# KiCad board frankenso.kicad_pcb (continued)
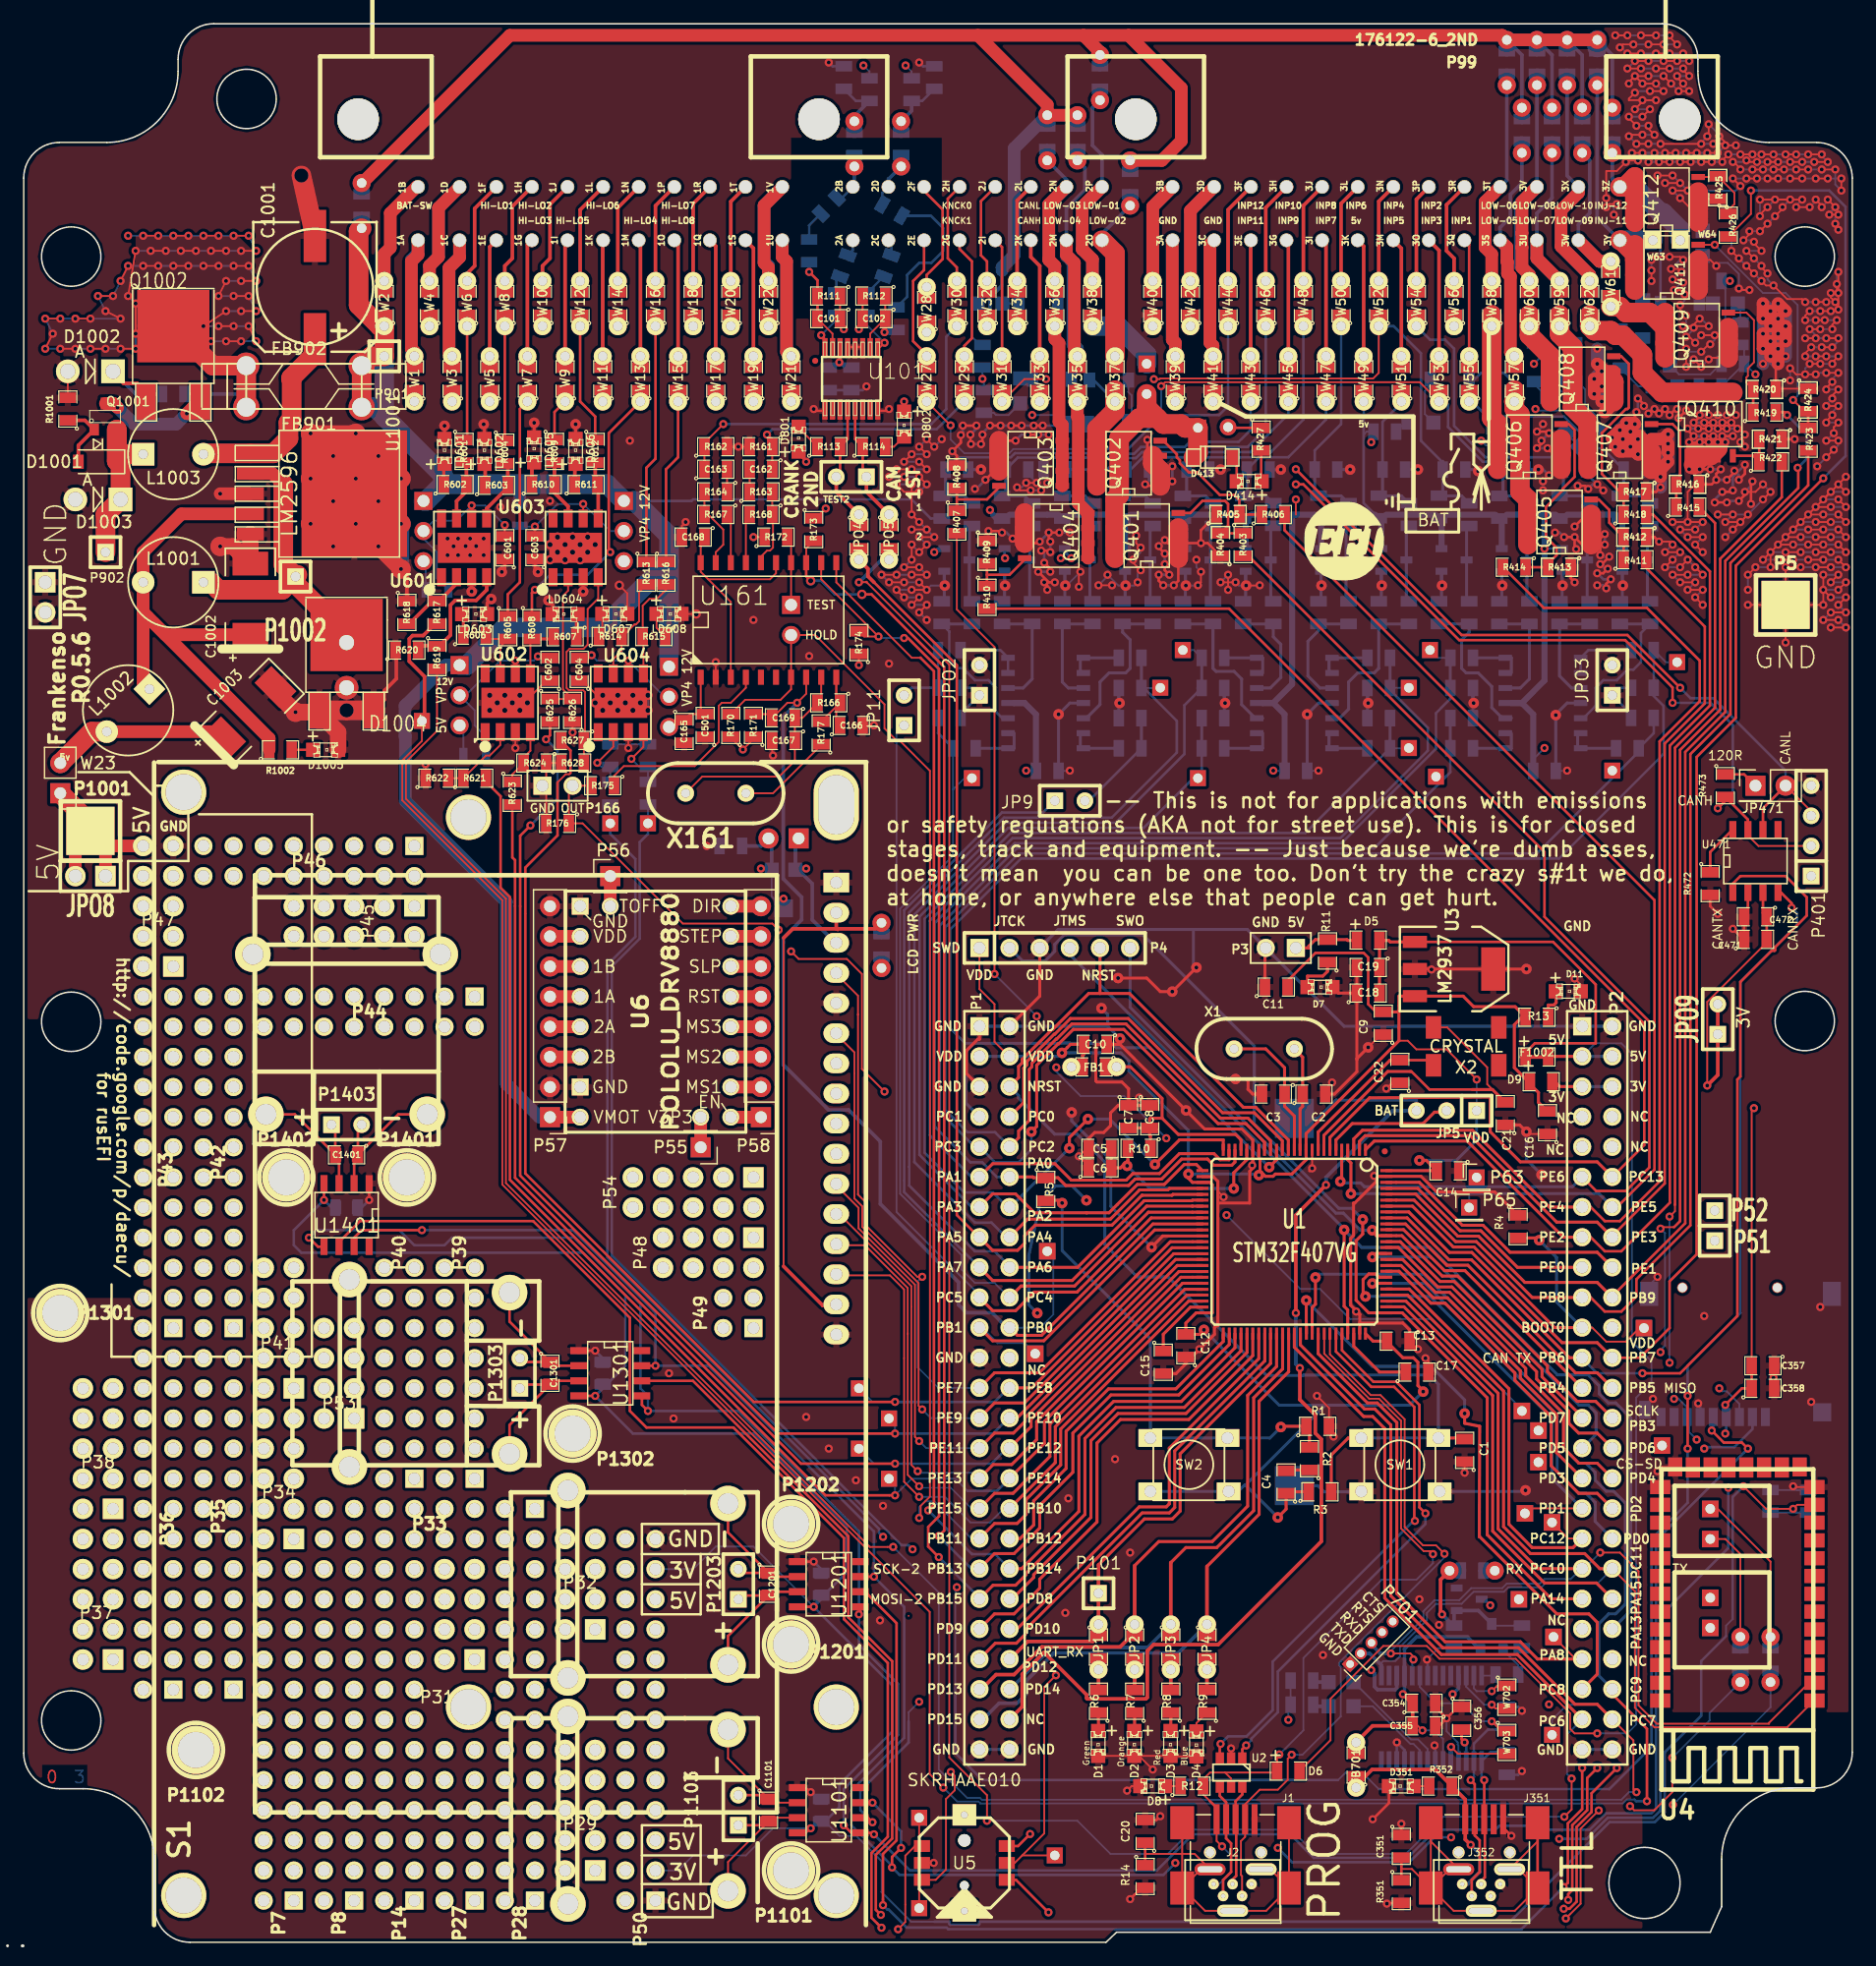
[diagram p0: board, top side]
## Nets (continued)
/hi-lo/DOHL7: P1.41 P74.1 R629.2 U1.56
/hi-lo/DOHL8: P1.40 P73.1 R631.2 U1.55
/hi-lo/VP: C601.2 P604.2 R633.1 U601.6
/hi-lo/VP2: C602.2 P605.2 R634.1 U602.6
/hi-lo/VP3: C603.2 P606.2 R635.1 U603.6
/hi-lo/VP4: C604.2 P607.2 U604.6
/HL1: R601.1 W6.1
/HL2: R604.1 W8.1
/HL3: R605.1 W7.1
/HL4: R608.1 W13.1
/HL5: R609.1 W9.1
/HL6: R612.1 W12.1
/HL7: R613.1 W16.1
/HL8: R616.1 W15.1
/inj_12ch/INJ-01: D413.2 Q401.2 R401.1 R402.2
/inj_12ch/INJ-01_5V: P2.11 P63.1 R403.2 U1.5
/inj_12ch/INJ-02_5V: P2.14 P65.1 R406.2 U1.4
/inj_12ch/INJ-03_5V: P2.27 P23.1 R407.2 U1.88
/inj_12ch/INJ-04_5V: P2.12 R410.2 U1.7
/inj_12ch/INJ-05_5V: P2.16 R411.2 U1.2
/inj_12ch/INJ-06_5V: P2.13 R414.2 U1.3
/inj_12ch/INJ-07_5V: P2.31 P20.1 R415.2 U1.84
/inj_12ch/INJ-08_5V: P2.15 R418.2 U1.1
/inj_12ch/INJ-09_5V: P2.20 R419.2 U1.96
/inj_12ch/INJ-10_5V: P2.29 P21.1 R422.2 U1.86
/inj_12ch/INJ-11_5V: P2.19 R423.2 U1.95
/inj_12ch/INJ-12_5V: P2.24 R426.2 U1.93
/KNOCK-INPUT-0: C163.1 R162.1 W30.1
/KNOCK-INPUT-1: C162.1 R161.1 W29.1
/LOW-1A-01_2: R402.1 W38.1
/LOW-1A-02: D416.2 Q402.2 W37.1
/LOW-1A-03: D418.2 Q403.2 W36.1
/LOW-1A-04: D420.2 Q404.2 W35.1
/LOW-1A-05: D422.2 Q405.2 W57.1
/LOW-1A-06: D424.2 Q406.2 W58.1
/LOW-1A-07: D426.2 Q407.2 W59.1
/LOW-1A-08: D428.2 Q408.2 W60.1
/LOW-1A-09: D430.2 Q409.2 W61.1
/LOW-1A-10: D432.2 Q410.2 W62.1
/LOW-1A-11: D22.1 D434.2 P99.51 Q411.2 W63.1
/LOW-1A-12: D23.1 D436.2 P99.64 Q412.2 W64.1
/mmc_usb_1/CB2: U351.13 W702.1
/mmc_usb_1/CB4: U351.12 W702.2
/mmc_usb_1/D+: C353.2 J351.3 J352.3 U351.15
/mmc_usb_1/D-: C352.2 J351.2 J352.2 U351.16
/mmc_usb_1/FTVCC: C354.1 C355.2 FB701.2 Q701.2 U351.4 U351.20
/mmc_usb_1/PWREN#: R703.2 U351.14
/mmc_usb_1/RESET: U351.19 W703.2
/mmc_usb_1/RI: U351.6 W703.1
/mmc_usb_1/shield: C351.2 J351.6 J352.6 R351.1
/PWR_buck_12V_switcher/FB: C1002.1 L1001.2 L1002.1 R1002.1 U1001.4
/PWR_buck_12V_switcher/OUT: D1004.2 D1006.1 L1001.1 P1002.1 U1001.2
/PWR_buck_12V_switcher/Vf: FB902.1 Q1002.2 R1003.1
/PWR_buck_12V_switcher/Vs1: D1002.1 Q1002.1 R1003.2
/PWR_buck_12V_switcher/Vs2: Q1001.3 Q1002.3
/SCK: P2.28 P4.6 P352.5 U1.89 U1101.5 U1201.5 U1301.5 U1401.5
/SCK-2: P1.37 R173.2 U1.52 U161.13
/SI: P2.26 P352.3 U1.91
/SI-2: P1.39 R174.2 U1.54 U161.12
/SO: P2.25 P352.7 U1.90 U1101.7 U1201.7 U1301.7 U1401.7
/SO-2: P1.38 U1.53 U161.11
/stm32f407_board/BOOT0: P2.21 P30.1 R4.2 U1.94
/stm32f407_board/D+: J1.3 J2.3 U2.6
/stm32f407_board/D-: J1.2 J2.2 U2.4
/stm32f407_board/NRST: C1.2 P1.6 P4.5 R3.2 SW1.1 U1.14
/stm32f407_board/PA5: JPO4.2 P1.15 U1.30
/stm32f407_board/PA9: D6.1 J1.1 J2.1 R12.2 U1.68 U2.5
/stm32f407_board/PA10: J1.4 J2.4 U1.69
/stm32f407_board/PA11: U1.70 U2.3
/stm32f407_board/PA12: U1.71 U2.1
/stm32f407_board/PA15: P2.40 P11.1 U1.77
/stm32f407_board/PB1: P1.21 P13.1 U1.36
/stm32f407_board/PC6: JPO5.2 P2.47 U1.63
/stm32f407_board/PC8: P2.45 P75.1 U1.65 U5.6
/stm32f407_board/PC12: P2.35 P16.1 U1.80
/stm32f407_board/PD0: P2.36 P17.1 U1.81 W102.2
/stm32f407_board/PD1: P2.33 P18.1 U1.82
/stm32f407_board/PD2: P2.34 P19.1 U1.83 W103.2
/stm32f407_board/PD6: P2.30 P22.1 U1.87
/stm32f407_board/PD10: P1.42 P76.1 U1.57 U5.2
/stm32f407_board/PD11: P1.43 P77.1 U1.58 U5.4
/stm32f407_board/PD13: JP2.1 P1.45 U1.60
/stm32f407_board/PD14: JP3.1 P1.46 U1.61
/stm32f407_board/PD15: JP4.1 P1.47 U1.62
/stm32f407_board/PE0: P2.17 P52.1 U1.97
/stm32f407_board/PE1: P2.18 P51.1 U1.98
/stm32f407_board/RTC_Bat: BT1.1 JP5.3 P1.48
/stm32f407_board/shield: C20.1 J1.6 J2.6 R14.1
/thermocouple1//CS: JP1.1 P1.44 P101.1 U1.59 U1101.6
/thermocouple1/TCPL+: C1101.2 P1103.1 P1104.2 U1101.3
/thermocouple1/TCPL-: C1101.1 P1103.2 P1104.1 U1101.2
/thermocouple2//CS: P2.39 P4.2 P10.1 U1.76 U1201.6
/thermocouple2/TCPL+: C1201.2 P1203.1 P1204.2 U1201.3
/thermocouple2/TCPL-: C1201.1 P1203.2 P1204.1 U1201.2
/thermocouple3//CS: P2.43 P6.1 U1.67 U1301.6
/thermocouple3/TCPL+: C1301.2 P1303.1 P1304.2 U1301.3
/thermocouple3/TCPL-: C1301.1 P1303.2 P1304.1 U1301.2
/thermocouple4//CS: P2.42 P4.4 P9.1 U1.72 U1401.6
/thermocouple4/TCPL+: C1401.2 P1403.1 P1404.2 U1401.3
/thermocouple4/TCPL-: C1401.1 P1403.2 P1404.1 U1401.2
Net-(C2-Pad1): C2.1 U1.12 X1.2
Net-(C3-Pad1): C3.1 U1.13 X1.1
Net-(C4-Pad2): C4.2 R2.1
Net-(C5-Pad2): C5.2 C6.2 R10.2 U1.21
Net-(C7-Pad2): C7.2 C8.2 FB1.1 R10.1 U1.22
Net-(C15-Pad1): C15.1 U1.49
Net-(C17-Pad1): C17.1 U1.73
Net-(C21-Pad2): C21.2 U1.8 X2.4
Net-(C22-Pad2): C22.2 U1.9 X2.1
Net-(C101-Pad1): C101.1 R108.2 R111.1 U101.16
Net-(C101-Pad2): C101.2 R107.2 R111.2 U101.15
Net-(C102-Pad1): C102.1 R110.2 R112.1 U101.10
Net-(C102-Pad2): C102.2 R109.2 R112.2 U101.9
Net-(C162-Pad2): C162.2 R163.1
Net-(C163-Pad2): C163.2 R164.1
Net-(C166-Pad1): C166.1 R166.1 R177.2 U161.10
Net-(C167-Pad1): C167.1 C169.1 R166.2 U161.9 X161.1
Net-(C168-Pad1): C168.1 U161.3 U161.15 U161.20
Net-(C210-Pad2): C210.2 R213.2 U201.12
Net-(C220-Pad2): C220.2 R223.2 U201.10
Net-(C230-Pad2): C230.2 R233.2 U201.5
Net-(C240-Pad2): C240.2 R243.2 U201.3
Net-(C250-Pad2): C250.2 R253.2 U202.12
Net-(C260-Pad2): C260.2 R263.2 U202.10
Net-(C270-Pad2): C270.2 R273.2 U202.5
Net-(C280-Pad2): C280.2 R283.2 U202.3
Net-(C290-Pad2): C290.2 R293.2 U203.12
Net-(C300-Pad2): C300.2 R303.2 U203.10
Net-(C310-Pad2): C310.2 R313.2 U203.5
Net-(C320-Pad2): C320.2 R323.2 U203.3
Net-(C356-Pad2): C356.2 U351.17
Net-(C701-Pad1): C701.1 Q701.1 R703.1
Net-(C701-Pad2): C701.2 C702.1 D703.1 Q701.3 W701.2
Net-(D1-Pad1): D1.1 R6.1
Net-(D2-Pad1): D2.1 R7.1
Net-(D3-Pad1): D3.1 R8.1
Net-(D4-Pad1): D4.1 R9.1
Net-(D5-Pad1): D5.1 P3.1 R11.2
Net-(D7-Pad1): D7.1 R11.1
Net-(D8-Pad1): D8.1 R12.1
Net-(D11-Pad1): D11.1 R13.1
Net-(D12-Pad1): D12.1 P99.29 W35.2
Net-(D13-Pad1): D13.1 P99.37 W36.2
Net-(D14-Pad1): D14.1 P99.30 W37.2
Net-(D15-Pad1): D15.1 P99.38 W38.2
Net-(D16-Pad1): D16.1 P99.48 W57.2
Net-(D17-Pad1): D17.1 P99.61 W58.2
Net-(D18-Pad1): D18.1 P99.49 W59.2
Net-(D19-Pad1): D19.1 P99.62 W60.2
Net-(D20-Pad1): D20.1 P99.50 W61.2
Net-(D21-Pad1): D21.1 P99.63 W62.2
Net-(D210-Pad2): D210.2 R212.2 R213.1
Net-(D220-Pad2): D220.2 R222.2 R223.1
Net-(D230-Pad2): D230.2 R232.2 R233.1
Net-(D240-Pad2): D240.2 R242.2 R243.1
Net-(D250-Pad2): D250.2 R252.2 R253.1
Net-(D260-Pad2): D260.2 R262.2 R263.1
Net-(D270-Pad2): D270.2 R272.2 R273.1
Net-(D280-Pad2): D280.2 R282.2 R283.1
Net-(D290-Pad2): D290.2 R292.2 R293.1
Net-(D300-Pad2): D300.2 R302.2 R303.1
Net-(D310-Pad2): D310.2 R312.2 R313.1
Net-(D320-Pad2): D320.2 R322.2 R323.1
Net-(D351-Pad1): D351.1 R352.2
Net-(D413-Pad1): D413.1 D414.2
Net-(D414-Pad1): D414.1 R427.2
Net-(D415-Pad1): D415.1 R438.1
Net-(D415-Pad2): D415.2 D416.1
Net-(D417-Pad1): D417.1 R428.1
Net-(D417-Pad2): D417.2 D418.1
Net-(D419-Pad1): D419.1 R429.1
Net-(D419-Pad2): D419.2 D420.1
Net-(D421-Pad1): D421.1 R430.1
Net-(D421-Pad2): D421.2 D422.1
Net-(D423-Pad1): D423.1 R431.1
Net-(D423-Pad2): D423.2 D424.1
Net-(D425-Pad1): D425.1 R432.1
Net-(D425-Pad2): D425.2 D426.1
Net-(D427-Pad1): D427.1 R433.1
Net-(D427-Pad2): D427.2 D428.1
Net-(D429-Pad1): D429.1 R434.1
Net-(D429-Pad2): D429.2 D430.1
Net-(D431-Pad1): D431.1 R435.1
Net-(D431-Pad2): D431.2 D432.1
Net-(D433-Pad1): D433.1 R436.1
Net-(D433-Pad2): D433.2 D434.1
Net-(D435-Pad1): D435.1 R437.1
Net-(D435-Pad2): D435.2 D436.1
Net-(D701-Pad1): D701.1 R701.2
Net-(D701-Pad2): D701.2 U351.23
Net-(D702-Pad1): D702.1 R702.2
Net-(D702-Pad2): D702.2 U351.22
Net-(D801-Pad2): D801.2 R113.1
Net-(D802-Pad2): D802.2 R114.2
Net-(D1001-Pad1): D1001.1 D1003.1 L1003.1 P902.1 Q1001.2
Net-(D1001-Pad2): D1001.2 Q1001.1 R1001.1
Net-(D1005-Pad1): D1005.1 R1002.2
Net-(JP1-Pad2): JP1.2 R6.2
Net-(JP2-Pad2): JP2.2 R7.2
Net-(JP3-Pad2): JP3.2 R8.2
Net-(JP4-Pad2): JP4.2 R9.2
Net-(JP5-Pad2): JP5.2 U1.6
Net-(JP9-Pad2): JP9.2 R294.2 R295.1
Net-(JP11-Pad2): JP11.2 R314.2 R315.1
Net-(JP471-Pad1): JP471.1 R473.1
Net-(LD601-Pad1): LD601.1 R602.1
Net-(LD602-Pad1): LD602.1 R603.1
Net-(LD603-Pad1): LD603.1 R606.1
Net-(LD604-Pad1): LD604.1 R607.1
Net-(LD605-Pad1): LD605.1 R610.1
Net-(LD606-Pad1): LD606.1 R611.1
Net-(LD607-Pad1): LD607.1 R614.1
Net-(LD608-Pad1): LD608.1 R615.1
Net-(P55-Pad1): P55.1 U6.18
Net-(P56-Pad1): P56.1 U6.17
Net-(P57-Pad3): P57.3 U6.6
Net-(P57-Pad4): P57.4 U6.5
Net-(P57-Pad5): P57.5 U6.4
Net-(P57-Pad6): P57.6 U6.3
Net-(P58-Pad1): P58.1 U6.9
Net-(P58-Pad2): P58.2 U6.10
Net-(P58-Pad3): P58.3 U6.11
Net-(P58-Pad4): P58.4 U6.12
Net-(P58-Pad5): P58.5 U6.13
Net-(P58-Pad6): P58.6 U6.14
Net-(P58-Pad7): P58.7 U6.15
Net-(P58-Pad8): P58.8 U6.16
Net-(P99-Pad1): P99.1 W1.2
Net-(P99-Pad2): P99.2 W3.2
Net-(P99-Pad3): P99.3 W5.2
Net-(P99-Pad4): P99.4 W7.2
Net-(P99-Pad5): P99.5 W9.2
Net-(P99-Pad6): P99.6 W11.2
Net-(P99-Pad7): P99.7 W13.2
Net-(P99-Pad8): P99.8 W15.2
Net-(P99-Pad9): P99.9 W17.2
Net-(P99-Pad10): P99.10 W19.2
Net-(P99-Pad11): P99.11 W21.2
Net-(P99-Pad12): P99.12 W2.2
Net-(P99-Pad13): P99.13 W4.2
Net-(P99-Pad14): P99.14 W6.2
Net-(P99-Pad15): P99.15 W8.2
Net-(P99-Pad16): P99.16 W10.2
Net-(P99-Pad17): P99.17 W12.2
Net-(P99-Pad18): P99.18 W14.2
Net-(P99-Pad19): P99.19 W16.2
Net-(P99-Pad20): P99.20 W18.2
Net-(P99-Pad21): P99.21 W20.2
Net-(P99-Pad22): P99.22 W22.2
Net-(P99-Pad25): P99.25 W27.2
Net-(P99-Pad26): P99.26 W29.2
Net-(P99-Pad27): P99.27 W31.2
Net-(P99-Pad28): P99.28 W33.2
Net-(P99-Pad33): P99.33 W28.2
Net-(P99-Pad34): P99.34 W30.2
Net-(P99-Pad35): P99.35 W32.2
Net-(P99-Pad36): P99.36 W34.2
Net-(P99-Pad39): P99.39 W39.2
Net-(P99-Pad40): P99.40 W41.2
Net-(P99-Pad41): P99.41 W43.2
Net-(P99-Pad42): P99.42 W45.2
Net-(P99-Pad43): P99.43 W47.2
Net-(P99-Pad44): P99.44 W49.2
Net-(P99-Pad45): P99.45 W51.2
Net-(P99-Pad46): P99.46 W53.2
Net-(P99-Pad47): P99.47 W55.2
Net-(P99-Pad52): P99.52 W40.2
Net-(P99-Pad53): P99.53 W42.2
Net-(P99-Pad54): P99.54 W44.2
Net-(P99-Pad55): P99.55 W46.2
Net-(P99-Pad56): P99.56 W48.2
Net-(P99-Pad57): P99.57 W50.2
Net-(P99-Pad58): P99.58 W52.2
Net-(P99-Pad59): P99.59 W54.2
Net-(P99-Pad60): P99.60 W56.2
Net-(P701-Pad4): P701.4 U351.3
Net-(P701-Pad5): P701.5 U351.11
Net-(Q401-Pad1): Q401.1 R403.1 R404.2
Net-(Q402-Pad1): Q402.1 R405.2 R406.1
Net-(Q403-Pad1): Q403.1 R407.1 R408.2
Net-(Q404-Pad1): Q404.1 R409.2 R410.1
Net-(Q405-Pad1): Q405.1 R411.1 R412.2
Net-(Q406-Pad1): Q406.1 R413.2 R414.1
Net-(Q407-Pad1): Q407.1 R415.1 R416.2
Net-(Q408-Pad1): Q408.1 R417.2 R418.1
Net-(Q409-Pad1): Q409.1 R419.1 R420.2
Net-(Q410-Pad1): Q410.1 R421.2 R422.1
Net-(Q411-Pad1): Q411.1 R423.1 R424.2
Net-(Q412-Pad1): Q412.1 R425.2 R426.1
Net-(R1-Pad1): R1.1 R2.2 R5.2 SW2.1
Net-(R99-Pad2): R99.2 RV101.1 RV101.2 W101.2
Net-(R102-Pad2): R102.2 R107.1
Net-(R103-Pad2): R103.2 R108.1
Net-(R104-Pad2): R104.2 R109.1
Net-(R106-Pad2): R106.2 R110.1
Net-(R137-Pad2): R137.2 R801.2 W1002.2
Net-(R141-Pad2): R141.2 R802.2 W1003.2
Net-(R163-Pad2): R163.2 R168.1 U161.16
Net-(R164-Pad2): R164.2 R167.2 U161.19
Net-(R167-Pad1): R167.1 U161.18
Net-(R168-Pad2): R168.2 U161.17
Net-(R177-Pad1): R177.1 X161.2
Net-(R214-Pad1): R214.1 U201.13 U201.14
Net-(R224-Pad1): R224.1 U201.8 U201.9
Net-(R234-Pad1): R234.1 U201.6 U201.7
Net-(R244-Pad1): R244.1 U201.1 U201.2
Net-(R254-Pad1): R254.1 U202.13 U202.14
Net-(R264-Pad1): R264.1 U202.8 U202.9
Net-(R274-Pad1): R274.1 U202.6 U202.7
Net-(R284-Pad1): R284.1 U202.1 U202.2
Net-(R294-Pad1): R294.1 U203.13 U203.14
Net-(R304-Pad1): R304.1 U203.8 U203.9
Net-(R314-Pad1): R314.1 U203.6 U203.7
Net-(R324-Pad1): R324.1 U203.1 U203.2
Net-(R472-Pad1): R472.1 U471.8
Net-(R601-Pad2): R601.2 R602.2 U601.7
Net-(R603-Pad2): R603.2 R604.2 U601.5
Net-(R605-Pad2): R605.2 R606.2 U602.7
Net-(R607-Pad2): R607.2 R608.2 U602.5
Net-(R609-Pad2): R609.2 R610.2 U603.7
Net-(R611-Pad2): R611.2 R612.2 U603.5
Net-(R613-Pad2): R613.2 R614.2 U604.7
Net-(R615-Pad2): R615.2 R616.2 U604.5
Net-(R617-Pad1): R617.1 R618.2 U601.2
Net-(R619-Pad1): R619.1 R620.2 U601.4
Net-(R621-Pad1): R621.1 R622.2 U602.2
Net-(R623-Pad1): R623.1 R624.2 U602.4
Net-(R625-Pad1): R625.1 R626.2 U603.2
Net-(R627-Pad1): R627.1 R628.2 U603.4
Net-(R629-Pad1): R629.1 R630.2 U604.2
Net-(R631-Pad1): R631.1 R632.2 U604.4
Net-(U5-Pad1): U5.1 W102.1
Net-(U5-Pad3): U5.3 W103.1

Pads without a net: D703 3; J351 4; J352 4; P1 24; P2 7 8 9 10 22 41 44; P7 1 2 3 4 5 6 7 8 9 10 11 12 13 14 15 16 17 18 19 20 21 22 23 24; P8 1 2 3 4 5 6 7 8 9 10 11 12 13 14 15 16 17 18 19 20 21 22 23 24; P14 1 2 3 4 5 6 7 8 9 10 11 12 13 14 15 16 17 18 19 20 21 22 23 24; P27 1 2 3 4 5 6 7 8 9 10 11 12; P28 1 2 3 4 5 6 7 8 9 10 11 12 13 14 15 16 17 18 19 20 21 22 23 24; P29 1 2 3 4 5 6 7 8 9 10; P31 1 2 3 4 5 6 7 8; P32 1 2 3 4 5 6 7 8; P33 1 2 3 4 5 6 7 8 9 10 11 12 13 14 15 16; P34 1 2 3 4 5 6 7 8 9 10; P35 1 2 3 4 5 6 7 8 9 10 11 12 13 14 15 16 17 18 19 20 21 22 23 24; P36 1 2 3 4 5 6 7 8 9 10 11 12 13 14 15 16 17 18 19 20 21 22 23 24; P37 1 2 3 4 5 6 7 8 9 10; P38 1 2 3 4 5 6 7 8 9 10; P39 1 2 3 4 5 6 7 8 9 10 11 12 13 14 15 16; P40 1 2 3 4 5 6 7 8 9 10 11 12 13 14 15 16; P41 1 2 3 4 5 6 7 8 9 10; P42 1 2 3 4 5 6 7 8 9 10 11 12 13 14 15 16 17 18 19 20 21 22 23 24; P43 1 2 3 4 5 6 7 8 9 10 11 12 13 14 15 16 17 18 19 20 21 22 23 24; P44 1 2 3 4 5 6 7 8 9 10 11 12 13 14 15 16; P45 1 2 3 4 5 6 7 8 9 10; P46 1 2 3 4 5 6 7 8 9 10 11 12 13 14 15 16; P47 1 2 3 4 5 6 7 8; P48 1 2 3 4 5 6 7 8; P49 1 2 3 4; P50 2 4 6 7 8 9 10 11 12 13 14 15 16 17 18 19 20 22 24 26; P53 1 2 3 4 5 6 7 8; P54 1 2 3 4 5 6 7 8 9 10; P352 1 8 9; P1101 1; P1102 1; P1104 M; P1201 1; P1202 1; P1204 M; P1301 1; P1302 1; P1304 M; P1401 1; P1402 1; P1404 M; S1 7 8 9 10; U1 NC1; U4 3 4 5 6 7 8 9 10 11 14 15 16 17 18 19 20 23 24 25 26 27 28 29 30 31 32 33 34; U5 7; U101 2 7 NC; U161 5 6; U351 2 8 9 10 24 27 28; U471 5; U601 1 8; U602 1 8; U603 1 8; U604 1 8; U1101 8; U1201 8; U1301 8; U1401 8; X2 2 3

## Via types
v1: diameter 0.889, hole 0.33, Top to Bottom, 80 vias
v2: diameter 0.686, hole 0.33, Top to Bottom, 965 vias
v3: diameter 0.79, hole 0.434, Top to Bottom, 38 vias
v4: diameter 1.651, hole 0.33, Top to Bottom, 17 vias
v5: diameter 1.542, hole 1.186, Top to Bottom, 2 vias

## Routing (per net, layer and track width the routed paths; a pad name or vN(x,y) marks a point on that pad's centre or on a via; arc(x,y) is an arc through that point)
12V-SNUB: length 196.3
  Top w0.152: W32.1 W32.1
  Top w1.067: 89.31,160.74 90.71,159.34 D15.2 ; 89.31,160.74 93.12,160.74 ; 89.31,160.74 80.42,160.74 ; 93.12,160.74 97.57,156.29 97.57,151.85 95.92,150.2 D14.2 ; 93.12,160.74 124.62,160.74 D17.2 D19.2 D21.2 D22.2 ; 80.42,160.74 86.27,154.9 86.27,154.01 88.81,154.01 ; 80.42,160.74 40.97,160.74 28.53,148.29 JPO6.1
  Bottom w0.305: D22.2 131.99,159.72 D22.2 ; D22.2 133.89,159.09 133.89,154.01 ; D22.2 D22.2 D22.2 ; D17.2 D17.2 D17.2 ; D17.2 126.27,159.09 126.27,154.01 ; D19.2 D19.2 128.81,159.09 128.81,154.01 ; D21.2 D21.2 131.35,159.09 131.35,154.01 ; 82.46,140.93 82.46,139.66 81.87,139.07 81.67,139.07 81.44,138.84 81.44,137.24 81.19,136.99 W32.1 ; D15.2 D15.2 D15.2
  Bottom w1.067: D15.2 D15.2 ; D13.2 86.27,154.01 83.47,151.21 83.47,142.2 82.46,141.18 82.46,140.93
  Bottom w1.651: D22.2 D22.2
/1V: length 1
  Top w0.152: W22.1 W22.1
/3.3V: length 341.7
  Top w0.152: v2(145.83,70.31) 145.64,70.12 C357.2 ; v2(66.33,9.61) 65.95,9.23 U1101.4 ; v2(144.94,38.44) 146.85,36.53 v2(149.13,36.53) 149.47,36.87 U4.12 ; v2(141.89,72.22) 141.89,79.27 146.91,84.28 C471.2
  Top w0.216: v2(143.42,45.3) 144.81,46.69 C358.1 C357.2 ; C471.2 C472.1 146.59,86.76 U471.3 ; U1401.4 v2(25.31,62.57) ; U1201.4 v2(66.58,28.28) ; U1301.4 v2(48.17,46.06)
  Top w0.254: 129.07,72.51 129.45,72.13 131.35,72.13
  Top w0.305: v2(141.89,72.22) 142.78,73.11 JPO9.1 JPO9.2
  PWR w0.152: v2(145.83,70.31) 143.92,72.22 v2(141.89,72.22) 141.81,72.13 P2.6
  PWR w0.216: v2(143.42,42.88) 144.18,42.12 144.18,39.2 v2(144.94,38.44)
  Bottom w0.152: v2(149.13,36.53) 149.45,36.22 C24.1 C23.1 ; P50.23 56.42,31.45 58.33,33.36 61.5,33.36 v2(66.58,28.28) ; 144.04,27.25 143.48,26.69 143.48,25.8 ; P50.3 55.15,6.05 56.42,7.32 60.87,7.32 63.15,9.61 v2(66.33,9.61) 66.9,10.18 C1102.1 67.53,10.18 68.74,8.97 70.17,8.97 72.3,6.85 72.3,4.22 74.79,1.73 76.74,1.73
  Bottom w0.216: v2(143.42,45.3) 143.5,45.21 P352.4 143.5,42.97 v2(143.42,42.88) ; v2(144.94,38.44) 144.04,37.54 144.04,27.25 ; v2(48.17,46.06) 48.8,46.69 C1302.1 ; v2(48.17,46.06) 51.34,42.88 61.62,42.88 69.38,35.12 69.38,31.2 66.58,28.4 v2(66.58,28.28) ; v2(48.17,46.06) 50.71,48.6 50.71,54.54 47.12,58.12 23.4,58.12 22.77,58.76 22.77,60.03 v2(25.31,62.57) 25.94,61.93 C1402.1 ; v2(66.58,28.28) 67.22,28.91 C1202.1 ; v2(66.58,28.28) 73.19,21.67 73.19,17.75 68.74,13.3 68.74,11.39 67.53,10.18 ; 143.48,25.8 141.38,23.71 141.38,19.1 138.31,16.02 138.31,10.95 137.49,10.13 133.67,10.13 125.27,1.73 80.54,1.73 80.54,1.53 80.49,1.48 78.07,1.48 78.02,1.53 78.02,1.73 76.74,1.73
  Bottom w0.254: P2.6 131.35,72.13
/5V: length 391.8
  Top w0.152: D6.2 110.14,17.04 110.14,20.53 114.59,24.98 118.25,24.98 119.33,23.9 125.74,23.9 130.34,19.31 130.34,17.99 130.72,17.61 v2(132.62,17.61) ; v2(65.95,124.8) 65.31,125.43 D801.1 ; v2(67.6,120.86) 66.77,120.04 R173.1 ; 54.39,102.45 54.96,103.02 C165.1 56.17,103.53 C501.2 57.06,103.91 U161.1 ; 6.89,92.41 P1001.1 ; R172.1 v2(61.5,118.45) ; D802.1 v2(74.2,129.88) ; W49.1 W49.1 ; R174.1 v2(70.39,107.65) ; R171.1 61.5,101.43 v2(60.61,100.54) 59.6,101.56 R170.1 ; W28.1 W28.1
  Top w0.216: v2(68.74,133.18) 68.8,133.24 U101.14 ; R401.2 101.57,127.66 R427.1 ; v2(128.18,117.48) 128.18,117.43 ; 132.58,17.65 v2(132.62,17.61) ; 126.21,74.62 127.36,75.78 132.49,75.78 132.49,80.73 128.9,84.33 U3.1
  Top w0.254: 114.27,84.45 114.66,84.45 ; 114.66,84.45 115.04,84.45 115.17,84.33 U3.1 ; 114.66,84.45 114.27,84.06 C19.1 C18.2 ; 131.35,74.67 128.62,74.67
  Top w0.305: 4.35,92.41 P1001.1 6.89,92.41 ; 126.21,74.62 F1002.2
  Top w1.067: JPO8.1 6.89,92.41 P47.10 ; U6.2 P57.7 ; JPO8.2 4.35,92.41
  Top w1.651: W23.1 5.62,94.32 P1001.1
  Bottom w0.152: v2(132.62,17.61) 135.16,17.61 135.9,18.35 135.9,45.91 137.19,47.2 137.19,48.98 135.54,50.63 135.54,74.89 134.65,75.78 132.45,75.78 131.35,74.67 ; v2(84.49,98.76) 84.51,98.74 C291.2 ; v2(105.32,98.76) 105.34,98.74 C251.1 ; v2(128.18,100.67) 127.22,99.72 C211.1 ; v2(74.33,158.2) 74.84,157.69 R141.1 ; v2(70.77,158.2) 71.28,157.69 R137.1 ; v2(106.59,18.75) 106.59,19.83 R701.1 R702.1 ; v2(123.6,28.4) 123.1,28.91 D703.2 ; R434.2 145,134.32 R436.2 144.62,134.64 143.42,135.85 143.42,139.72 R437.2 v2(143.8,140.04) ; R434.2 145.07,133.05 v2(145.96,132.16) ; R434.2 R435.2 ; v2(127.29,133.05) 127.73,133.5 R433.2 ; v2(122.84,126.58) 123.22,126.19 R431.2 ; v2(85,128.73) 86.9,128.73 87.66,127.97 R438.2 ; v2(113.57,126.45) 113.76,126.64 R430.2 113.19,127.34 112.94,127.08 ; v2(127.41,129.24) 127.54,129.12 130.34,129.12 130.8,128.65 R432.2 ; P604.3 33.88,116.22 R633.2 ; P605.3 37.06,102.25 R634.2 ; JPO8.1 6.89,92.41 P1001.1 4.35,92.41 JPO8.2 ; R429.2 80.93,131.66 v2(80.81,131.78) R428.2
  Bottom w0.216: C104.1 68.3,132.74 v2(68.74,133.18) 69.18,132.74 C103.2 ; R250.2 112.94,121.31 W49.1 ; v2(81.44,120.73) 82.16,120.02 R310.2 ; v2(82.71,116.67) 82.67,116.71 D310.3 ; v2(88.3,116.67) 87.75,117.22 D300.3 87.75,117.01 v2(87.41,116.67) ; v2(76.74,117.18) 77.04,117.48 D320.3 ; D220.3 v2(128.18,117.48)
  Bottom w0.254: 83.09,120.33 82.77,120.02 R310.2 ; 87.22,120.33 R300.2 87.85,120.02 88.17,120.33 ; 92.3,120.33 R290.2 ; R290.2 92.83,119.8 ; R290.2 92.93,120.02 93.25,120.33 ; 97.38,120.33 R280.2 ; R280.2 97.91,119.8 ; R280.2 98.01,120.02 98.33,120.33 ; 102.46,120.33 R270.2 ; R270.2 102.99,119.8 ; R270.2 103.09,120.02 103.41,120.33 ; 106.9,120.33 106.59,120.33 ; 109.76,120.33 109.44,120.02 109.13,120.02 109.34,119.8 ; 113.89,120.33 114.21,120.02 ; 114.21,120.02 114.42,119.8 ; 114.21,120.02 114.52,120.02 114.84,120.33 ; 118.97,120.33 119.29,120.02 ; 119.29,120.02 119.5,119.8 ; 119.29,120.02 119.6,120.02 119.92,120.33 ; 124.05,120.33 R230.2 ; R230.2 124.58,119.8 ; R230.2 124.68,120.02 125,120.33 ; 129.13,120.33 R220.2 ; R220.2 129.66,119.8 ; R220.2 129.76,120.02 130.08,120.33 ; 134.21,120.33 R210.2 134.74,119.8 ; P2.4 131.35,74.67
  Bottom w0.508: 83.09,120.33 87.22,120.33 ; 88.17,120.33 92.3,120.33 ; 93.25,120.33 97.38,120.33 ; 98.33,120.33 102.46,120.33 ; 103.41,120.33 108.81,120.33 109.13,120.02 ; 105.32,104.46 106.9,106.05 106.9,120.33 ; 105.32,104.46 104.43,104.46 105.32,104.46 ; 105.32,104.46 106.27,103.51 C251.1 ; 109.76,120.33 113.89,120.33 ; 114.84,120.33 118.97,120.33 ; 119.92,120.33 124.05,120.33 ; 125,120.33 128.18,120.33 ; 128.18,120.33 129.13,120.33 ; 128.18,120.33 128.18,106.36 126.27,104.46 ; 130.08,120.33 134.21,120.33 ; 84.36,104.46 85.31,103.51 C291.2 ; 84.36,104.46 83.47,104.46 84.36,104.46 ; 126.27,104.46 127.22,103.51 C211.1 ; 126.27,104.46 125.38,104.46 126.27,104.46 ; 81.69,120.33 82.01,120.02 R310.2 ; D240.3 119.5,119.8 ; D290.3 92.83,119.8 ; D250.3 114.42,119.8 ; D260.3 109.34,119.8 ; D230.3 124.58,119.8 ; D210.3 134.74,119.8 ; D280.3 97.91,119.8 ; D270.3 102.99,119.8
/12V-SWITCH: length 168
  Top w1.067: P57.1 U6.8
  Top w1.651: JPO6.2 28.23,144.23 28.23,138.01 30.01,136.23 W2.1 P901.1 29.27,133.69 FB901.1 FB901.1
  Bottom w0.216: P606.1 56.29,121.5 56.42,121.62 74.84,121.62 76.44,120.02 R320.2
  Bottom w1.067: 41.82,122.91 41.82,122.89 41.82,122.91 ; 41.82,122.91 R635.2 ; P605.1 35.58,107.65 32.31,104.38 32.29,104.38 32.14,104.23 32.14,101.68 32.16,101.65 32.16,96.21 40.67,87.7 40.67,72.35 43.47,69.55 P57.1
  Bottom w1.651: 54.39,116.42 48.8,110.83 40.55,110.83 37.37,107.65 P605.1 ; 54.39,116.42 54.39,118.57 51.47,121.5 P606.1 49.16,122.91 35.34,122.91 ; 54.39,116.42 P607.1 ; 31.66,127.34 29.6,129.4 FB901.1 ; 31.66,127.34 30.39,128.61 P901.1 ; 31.66,127.34 35.34,123.65 35.34,122.91 ; 35.34,122.91 33.93,121.5 P604.1
/mmc_usb_1/Vbus: length 19.5
  Top w0.305: v2(121.95,8.21) 121.5,8.67 J351.1 121.5,12.03 R352.1 118.97,14.56 113.64,14.56 112.3,13.22 FB701.1
  Bottom w0.305: v2(121.95,8.21) 122.72,7.45 122.72,5.93 121.69,4.9 J352.1
/PWR_buck_12V_switcher/5V-REG: length 15.2
  Top w1.067: C1003.1 16.5,102.05 L1002.2
  Top w1.651: W23.2 5.73,102.05 L1002.2
/PWR_buck_12V_switcher/VBAT: length 18.1
  Top w1.067: C1001.1 24.54,134.11
  Top w1.651: L1003.2 15.22,125.51 U1001.1 21.06,125.51 22.31,126.76 22.31,128.08 22.58,128.35 22.58,131.73 22.54,131.77 22.54,131.87 24.54,133.87 C1001.1
/stm32f407_board/VDD: length 204.1
  Top w0.152: P4.1 80.55,80.35 81.82,79.08 81.82,75.9 83.05,74.67 P1.4 ; v2(122.46,72.73) 119.92,75.27 117.38,75.27 116.65,76 115.91,76
  Top w0.216: C11.2 106.52,81.05 108.87,83.4 112.94,83.4 113.32,83.01 113.32,79.08 113.98,78.42 C9.2
  Top w0.254: 115.91,78.48 115.86,78.48 115.86,78.47 115.91,78.42 C9.2 ; 115.91,78.48 115.91,76 108.08,68.17 U1.11 108.08,65.96 106.88,64.76 105.49,64.76 105.3,64.57 104.65,64.57 104.33,64.89 ; 115.91,78.48 115.91,79.75 U3.3 121.32,79.75 122.21,78.86 125.7,78.86 R13.2 126.27,77.98 125.64,77.34 125.64,73.72 126.72,72.64 126.72,72.58 127.67,71.63 127.67,70.8 C16.2 ; v1(105.7,35.81) 106.4,36.51 C4.1 106.52,37.97 R3.1 ; U1.75 113.72,50.67 C13.2 114.9,50.61 116.24,49.27 117.13,49.27 117.51,48.89 117.51,46.92 117.95,46.48 v1(117.95,46.42) ; v1(99.47,51.62) 99.09,51.24 C12.2 97.95,52.19 98.81,53.06 U1.50 100.19,53.06 100.19,63.85 99.98,64.06 U1.28 98.51,64.06 98.17,64.4 v1(98.17,64.76) ; v1(87.51,74.97) 88.23,75.69 C10.2 89.38,74.88 89.24,74.74 89.25,74.73 FB1.2 ; U1.100 119.07,65.05 C14.2 118.21,65.91 v1(117.64,65.91) ; 104.33,64.89 v1(104.1,64.67) ; 104.33,64.89 104.2,65.02 104.2,65.97 104.1,66.08 U1.19
  Bottom w0.152: v2(122.46,72.73) JP5.1
  Bottom w0.254: v1(105.7,35.81) 102.97,38.54 ; 102.97,38.54 102.9,38.54 102.37,38.01 SW2.2 SW2.2 ; 102.97,38.54 109.7,45.27 ; v1(117.64,65.91) 120.75,65.91 122.46,67.62 JP5.1 ; v1(117.95,46.42) 116.81,45.27 109.7,45.27 ; 109.7,45.27 105.82,45.27 v1(99.47,51.62) ; P1.3 P1.4 87.21,74.67 v1(87.51,74.97) 92.46,74.97 93.15,74.28 93.15,73.44 98.17,68.42 v1(98.17,64.76) 104.01,64.76 v1(104.1,64.67)
GND: length 1596
  Top w0.152: v2(85.38,123.02) v2(84.49,123.02) ; v2(83.73,122.64) 83.98,122.38 v2(84.87,122.38) ; v2(85.76,122.38) 86.27,122.89 v2(86.27,123.02) ; v2(109,46.06) 110.02,45.04 R1.2 110.02,43.01 v2(110.4,42.63) ; v2(149.13,38.44) 149.2,38.37 U4.13 ; v2(93,12.78) 93.38,13.16 D8.2 ; D1.2 D3.2 96.7,15.67 D4.2 ; v2(95.16,14.56) 94.01,15.71 D2.2 ; v2(66.33,12.66) 65.95,13.04 U1101.1 ; 151.1,130.96 151.1,130.89 ; v2(114.84,71.97) 115.33,72.45 C22.1 ; v1(113.32,75.44) 114.4,76.51 C9.1 ; v2(110.27,72.47) 109.7,71.9 C2.2 ; v2(94.01,71.2) 94.67,70.55 C8.1 ; v2(118.65,82) 118.61,82.04 U3.2 ; v2(130.72,81.24) 131.23,80.72 D11.2 ; v2(103.54,65.49) 103.59,65.54 U1.20 ; v2(101.13,62.82) 100.74,63.2 100.64,63.2 ; v2(113.83,64.6) 113.86,64.56 U1.99 ; v2(112.3,53.17) 112.56,52.92 112.61,52.92 ; v2(117.51,49.99) 116.83,50.67 C13.1 ; v2(118.14,49.23) 118.4,48.98 C17.2 ; v2(99.09,49.99) 98.44,49.34 C12.1 ; v1(126.65,68.32) 126.84,68.13 C16.1 ; R420.1 147.73,130.96 R424.1 ; v2(142.02,133.43) 142.15,133.56 Q409.3 ; v2(141.38,132.8) v2(140.75,133.43) ; v2(140.11,132.8) v2(140.11,134.32) ; v2(141.38,134.07) 142.02,134.7 v2(142.15,134.7) ; v2(142.53,135.47) v2(141.38,135.47) ; v2(140.88,134.83) 140.37,135.34 v2(140.11,135.34) ; v2(140.75,136.1) 140.88,136.23 v2(142.02,136.23) ; v2(141.26,136.86) 140.62,136.23 v2(139.86,136.23) ; v2(140.11,137.12) 139.61,137.62 v2(139.61,138.01) ; v2(139.99,138.89) 139.61,139.28 v2(139.1,139.28) ; v2(139.86,139.91) 139.61,140.16 v2(138.97,140.16) ; v2(139.73,140.8) 139.48,141.05 v2(138.84,141.05) ; v2(139.86,141.82) 139.61,142.07 v2(138.72,142.07) 137.45,142.07 v2(137.19,141.82) ; v2(142.65,141.31) 142.15,141.82 Q411.3 ; v2(144.56,139.4) 144.69,139.28 v2(145.45,139.28) ; v2(139.61,147.02) 140.37,146.26 Q412.3 ; v2(138.97,147.66) v2(140.24,147.66) ; v2(138.34,148.29) v2(139.61,148.29) ; v2(138.97,148.93) v2(137.7,148.93) ; v2(143.92,142.58) v2(144.56,141.94) ; v2(145.19,141.31) v2(145.83,140.67) ; v2(146.46,140.04) 146.85,139.66 v2(147.48,139.66) 148.62,138.51 149.89,138.51 v2(150.15,138.26) ; v2(146.97,140.67) 146.46,141.18 v2(146.46,141.31) ; v2(145.83,141.94) v2(145.19,142.58) ; v2(146.46,142.58) 145.83,143.21 v2(145.83,143.34) ; v2(144.94,143.47) 145.45,143.97 v2(145.45,144.23) ; v2(146.34,144.23) v2(146.97,144.86) ; v2(147.61,145.5) 148.24,146.13 v2(148.24,146.26) ; v2(148.88,146.9) v2(147.61,146.9) ; v2(146.97,146.26) 146.34,145.63 v2(146.34,145.5) ; v2(146.34,146.9) v2(149.89,146.9) ; v2(149.39,146.26) v2(150.53,146.26) ; v2(151.04,146.9) 151.54,146.39 v2(151.54,146.26) ; v2(152.05,146.9) v2(152.69,146.26) ; v2(144.69,148.04) v2(144.05,148.67) ; v2(145.19,148.67) v2(146.08,148.67) ; v2(147.86,148.67) v2(146.97,148.67) ; v2(148.88,148.67) v2(149.89,148.67) ; v2(151.04,148.67) v2(152.05,148.67) ; v2(153.2,148.67) v2(153.2,147.66) ; v2(152.69,149.44) v2(151.54,149.44) ; v2(150.4,149.44) v2(149.39,149.44) ; v2(148.37,149.44) v2(147.48,149.44) ; v2(146.59,149.44) v2(145.7,149.44) ; v2(144.69,149.44) 144.18,150.07 v2(144.05,150.07) ; v2(145.19,150.2) 145.32,150.07 v2(146.08,150.07) ; v2(146.97,150.07) v2(147.86,150.07) ; v2(148.88,150.07) v2(149.89,150.07) ; v2(150.91,150.07) v2(152.05,150.07) ; v2(151.54,150.71) v2(150.4,150.71) ; v2(149.39,150.71) v2(148.5,150.71) ; v2(147.48,150.71) v2(146.46,150.71) ; v2(145.7,150.71) v2(144.69,150.71) ; v2(143.67,150.71) 143.16,150.2 v2(143.16,150.07) ; v2(142.27,150.07) v2(141.38,150.07) ; v2(140.5,150.07) v2(139.61,150.07) ; v2(138.72,150.07) v2(137.83,150.07) ; v2(136.94,150.07) 137.45,150.58 v2(137.45,150.83) ; v2(136.43,150.83) v2(135.54,150.83) ; v2(136.05,150.2) 135.16,150.2 v2(135.03,150.07) 134.27,149.31 133.38,149.31 v2(133.38,147.02) ; v2(138.34,150.83) v2(139.23,150.83) ; v2(140.11,150.83) v2(141,150.83) ; v2(141.89,150.83) v2(142.78,150.83) ; v2(143.42,151.47) 143.29,151.59 v2(142.4,151.59) ; v2(141.38,151.59) v2(137.96,151.59) ; v2(136.94,151.59) v2(135.92,151.59) ; v2(135.29,152.23) 135.42,152.36 v2(136.43,152.36) ; v2(137.45,152.36) 136.94,152.86 v2(136.94,153.12) ; v2(135.92,153.12) 135.29,153.75 v2(135.29,153.88) ; v2(136.43,153.88) v2(137.07,154.52) ; v2(135.8,154.52) 136.43,155.15 v2(136.43,155.28) ; v2(137.57,155.28) 135.29,155.28 135.29,155.4 v2(135.8,155.91) ; v2(137.07,156.04) v2(138.21,156.04) ; v2(135.8,157.31) v2(136.94,157.31) ; v2(135.8,157.31) 135.29,156.8 v2(135.29,156.67) ; v2(135.8,157.31) v2(136.43,156.67) v2(137.57,156.67) ; v2(138.21,157.31) v2(138.84,156.67) ; v2(139.48,156.04) v2(140.37,156.04) ; v2(139.86,156.67) 139.35,157.18 v2(139.35,157.31) ; v2(140.37,157.31) 139.86,157.82 v2(139.86,157.94) ; v2(138.72,157.94) v2(137.57,157.94) ; v2(136.3,157.94) v2(135.16,157.94) ; v2(135.8,158.58) v2(136.94,158.58) ; v2(138.21,158.58) v2(139.35,158.58) ; v2(140.37,158.58) 139.86,159.09 v2(139.86,159.21) ; v2(138.72,159.21) v2(137.57,159.21) ; v2(136.3,159.21) v2(135.16,159.21) ; v2(134.53,159.72) 134.78,159.98 v2(135.67,159.98) ; v2(136.94,159.98) v2(138.21,159.98) ; v2(139.35,159.98) 138.72,160.61 v2(138.72,160.74) ; v2(137.57,160.74) v2(136.3,160.74) ; v2(135.16,160.74) v2(134.15,160.74) ; v2(141.89,152.23) 142.02,152.36 v2(142.02,153.25) ; v2(142.91,152.23) 143.67,151.47 v2(144.31,151.47) ; v2(151.04,138.26) v2(151.93,138.26) ; v2(152.69,138.26) 152.31,138.64 v2(152.31,139.02) ; v2(152.31,137.5) v2(151.42,137.5) ; v2(150.53,137.5) 150.15,137.12 v2(150.15,136.74) ; v2(151.04,136.74) v2(151.8,136.74) ; v2(152.81,136.74) 152.43,136.35 v2(152.43,135.97) ; v2(151.42,135.97) v2(150.53,135.97) ; v2(151.04,135.21) v2(150.15,135.21) ; v2(152.43,134.45) v2(151.54,134.45) ; v2(150.66,134.45) 150.15,133.94 v2(150.15,133.69) ; v2(151.04,133.69) v2(151.93,133.69) ; v2(152.94,133.69) 152.43,133.18 v2(152.43,133.05) ; v2(151.42,133.05) v2(150.53,133.05) ; v2(151.04,132.16) v2(150.15,132.16) 149.39,132.16 v2(148.88,132.67) ; v2(151.93,132.29) v2(152.94,132.29) ; v2(152.43,131.53) 151.93,131.02 v2(151.93,130.89) ; v2(152.94,130.89) 152.43,130.39 v2(152.43,130.13) ; v2(151.93,129.5) v2(152.94,129.5) ; v2(152.43,128.73) 151.93,128.23 v2(151.93,128.1) ; v2(152.56,125.81) v2(151.93,125.18) ; v2(137.19,140.93) v2(137.19,140.04) ; v2(133.38,146.26) 133.64,146.51 v2(134.27,146.51) ; v2(146.59,122.89) 145.96,122.26 v2(145.07,122.26) ; v2(147.23,122.26) v2(146.59,121.62) ; v2(142.78,120.35) v2(144.05,120.35) ; v2(143.42,119.72) v2(144.69,119.72) ; v2(145.32,120.35) v2(144.05,119.08) ; v2(140.24,119.72) 140.24,122.26 140.88,122.89 R416.1 ; v2(140.24,119.72) v2(138.97,119.72) ; v2(140.24,119.72) v2(141.51,119.72) ; v2(140.88,119.08) v2(139.61,119.08) ; v2(140.24,118.45) v2(141.51,118.45) ; v2(140.88,117.81) v2(141.51,117.18) ; v2(138.97,117.81) 138.72,118.07 v2(137.83,118.07) ; v2(138.34,117.18) v2(139.61,117.18) ; v2(138.97,116.54) v2(138.34,115.91) ; v2(139.61,115.91) v2(140.24,116.54) ; v2(140.88,115.91) v2(141.51,115.27) ; v2(140.24,115.27) v2(138.97,115.27) ; v2(139.61,114.64) v2(140.88,114.64) ; v2(140.24,114) v2(141.51,114) ; v2(140.88,113.37) v2(141.51,112.73) ; v2(151.04,115.91) v2(152.31,115.91) ; v2(153.58,115.91) v2(152.94,116.54) ; v2(151.67,116.54) v2(150.4,116.54) ; v2(149.13,116.54) v2(147.86,116.54) ; v2(146.59,116.54) v2(147.23,117.18) ; v2(147.23,117.18) v2(153.58,123.53) ; v2(147.23,117.18) v2(147.23,115.91) ; v2(148.5,117.18) v2(149.77,117.18) ; v2(151.04,117.18) v2(152.31,117.18) ; v2(153.58,117.18) v2(152.94,117.81) ; v2(151.67,117.81) v2(150.4,117.81) ; v2(149.13,117.81) v2(147.86,117.81) ; v2(148.5,118.45) v2(149.77,118.45) ; v2(151.04,118.45) v2(152.31,118.45) ; v2(153.58,118.45) v2(152.94,119.08) ; v2(151.67,119.08) v2(150.4,119.08) ; v2(149.13,119.08) v2(149.77,119.72) ; v2(151.04,119.72) v2(152.31,119.72) ; v2(153.58,119.72) v2(152.94,120.35) ; v2(151.67,120.35) v2(150.4,120.35) ; v2(151.04,120.99) v2(152.31,120.99) ; v2(153.58,120.99) v2(152.94,121.62) ; v2(151.67,121.62) v2(152.31,122.26) ; v2(153.58,122.26) v2(152.94,122.89) ; v2(145.96,115.91) v2(145.32,115.27) ; v2(152.94,115.27) v2(152.31,114.64) ; v2(153.58,114.64) v2(152.94,114) ; v2(151.67,114) v2(152.31,113.37) ; v2(153.58,113.37) v2(152.94,112.73) ; v2(153.58,112.1) v2(152.31,112.1) ; v2(151.67,111.46) v2(152.94,111.46) ; v2(153.58,110.83) v2(152.31,110.83) ; v2(102.14,114.64) v2(100.87,114.64) ; v2(101.51,115.27) v2(101.51,114) ; v2(90.58,114.38) v2(91.73,114.38) ; v2(89.06,115.53) 88.93,115.4 v2(88.93,114.26) ; v2(94.14,115.65) 93.51,116.29 v2(93.51,116.54) ; v2(94.14,117.56) 93.76,117.94 v2(93.76,118.57) ; v2(98.97,114.38) 99.22,114.64 v2(99.22,115.53) ; v2(104.17,114.38) 104.15,114.36 v1(103.03,114.36) ; v2(74.84,114) v2(76.11,114) v2(75.47,114.64) ; v2(73.57,114) v2(74.2,113.37) ; v2(75.47,113.37) v2(74.84,112.73) ; v2(76.11,112.73) v2(75.47,112.1) ; v2(74.2,114.64) v2(72.93,114.64) ; v2(72.3,115.27) v2(73.57,115.27) ; v2(74.84,115.27) v2(76.11,115.27) ; v2(75.47,115.91) v2(74.2,115.91) ; v2(74.84,116.54) v2(74.84,117.81) ; v2(75.47,117.18) v2(76.11,117.81) ; v2(75.47,118.45) v2(76.74,118.45) ; v2(74.84,119.08) v2(76.11,119.08) ; v2(75.47,119.72) v2(74.84,120.35) v2(74.84,122.89) ; v2(73.57,122.89) 74.2,122.26 v2(75.47,122.26) ; v2(76.11,122.89) v2(75.47,123.53) ; v2(74.2,123.53) v2(72.93,123.53) ; v2(73.57,124.16) v2(74.84,124.16) ; v2(76.11,124.16) v2(75.47,124.8) ; v2(74.2,124.8) v2(74.84,125.43) ; v2(76.11,125.43) v2(75.47,126.07) ; v2(76.11,126.7) v2(76.74,126.07) ; Q412.3 141.7,146.96 R425.1 ; v2(55.79,119.72) 55.47,119.4 C168.2 ; v2(63.15,100.03) 63.09,100.1 C167.2 ; v3(39.28,105.11) v3(39.91,104.48) U602.9 ; v3(40.55,105.11) v3(41.82,105.11) ; v3(42.45,104.48) v3(41.18,104.48) ; v3(49.44,104.48) v3(48.8,105.11) ; v3(49.44,104.48) v3(48.17,104.48) ; v3(49.44,104.48) U604.9 ; v3(50.07,105.11) v3(51.34,105.11) ; v3(51.98,104.48) v3(50.71,104.48) ; v3(48.8,103.84) v3(50.07,103.84) ; v3(51.34,103.84) v3(52.61,103.84) ; v3(44.99,118.45) 45.9,117.54 U603.9 ; v3(46.26,118.45) v3(47.53,118.45) ; v3(48.17,117.81) v3(46.9,117.81) ; v3(45.63,117.81) v3(44.36,117.81) ; v3(44.99,117.18) v3(46.26,117.18) ; v3(47.53,117.18) v3(46.9,116.54) ; v3(45.63,116.54) v3(44.36,116.54) ; v3(41.82,103.84) v3(40.55,103.84) ; v3(39.28,103.84) U602.9 ; U602.9 42.17,104.48 44.04,106.34 C602.1 ; v3(50.2,114.38) 50.87,113.72 LD607.2 ; v2(114.89,3.26) 114.96,3.32 R351.2 ; v2(33.87,99.32) 33.88,99.31 R622.1 ; 48.9,104.48 U604.9 ; U604.9 48.95,104.48 47.09,106.34 C604.1 47.04,106.34 ; v2(72.42,36.79) 72.42,36.66 ; R176.2 44.04,97.18 P166.1 44.04,97.81 R624.1 R628.1 ; v2(151.93,126.58) v2(152.95,126.58) ; R626.1 v2(46.26,101.99) ; R161.2 v2(60.23,126.07) R162.2 ; W42.1 W42.1 ; U161.2 v2(58.33,107.91) ; C1.1 v2(121.45,39.58) ; v2(152.18,145.63) v2(152.95,145.63) ; v2(152.95,139.02) 152.81,139.15 v2(152.81,139.78) ; U1.10 v2(108.59,65.24) ; W41.1 W41.1 ; v2(151.67,115.27) v2(151.67,112.73) P5.1 ; v2(148.5,109.56) P5.1 ; P5.1 v2(148.5,115.91) v2(149.77,115.91) ; P5.1 v2(145.32,112.73) ; C6.1 89.76,65.43 v2(88.93,66.25) 89.61,66.93 C5.1 ; v2(151.93,135.21) v2(152.95,135.21) ; U5.5 v2(76.69,6.69) ; U4.21 138.06,40.07 v2(137.7,39.71) 137.93,39.48 U4.22 ; LD608.2 v3(56.68,111.97) ; v2(50.96,100.67) U604.3 ; 41.44,102 v2(41.44,100.67) ; v2(152.95,128.1) 152.56,127.71 v2(152.56,127.21) ; R1001.2 D1002.2 ; v2(152.69,144.86) 153.03,144.52 153.03,144.44 v2(152.95,144.36) ; W39.1 W39.1 ; W40.1 W40.1 ; v2(152.95,140.8) v2(152.95,137.62) ; C166.2 v2(71.66,102.57) ; U2.2 v2(101.76,16.34)